# Altium PCB pay-ssm-v4.PcbDoc (part 2 of 2) (continued)
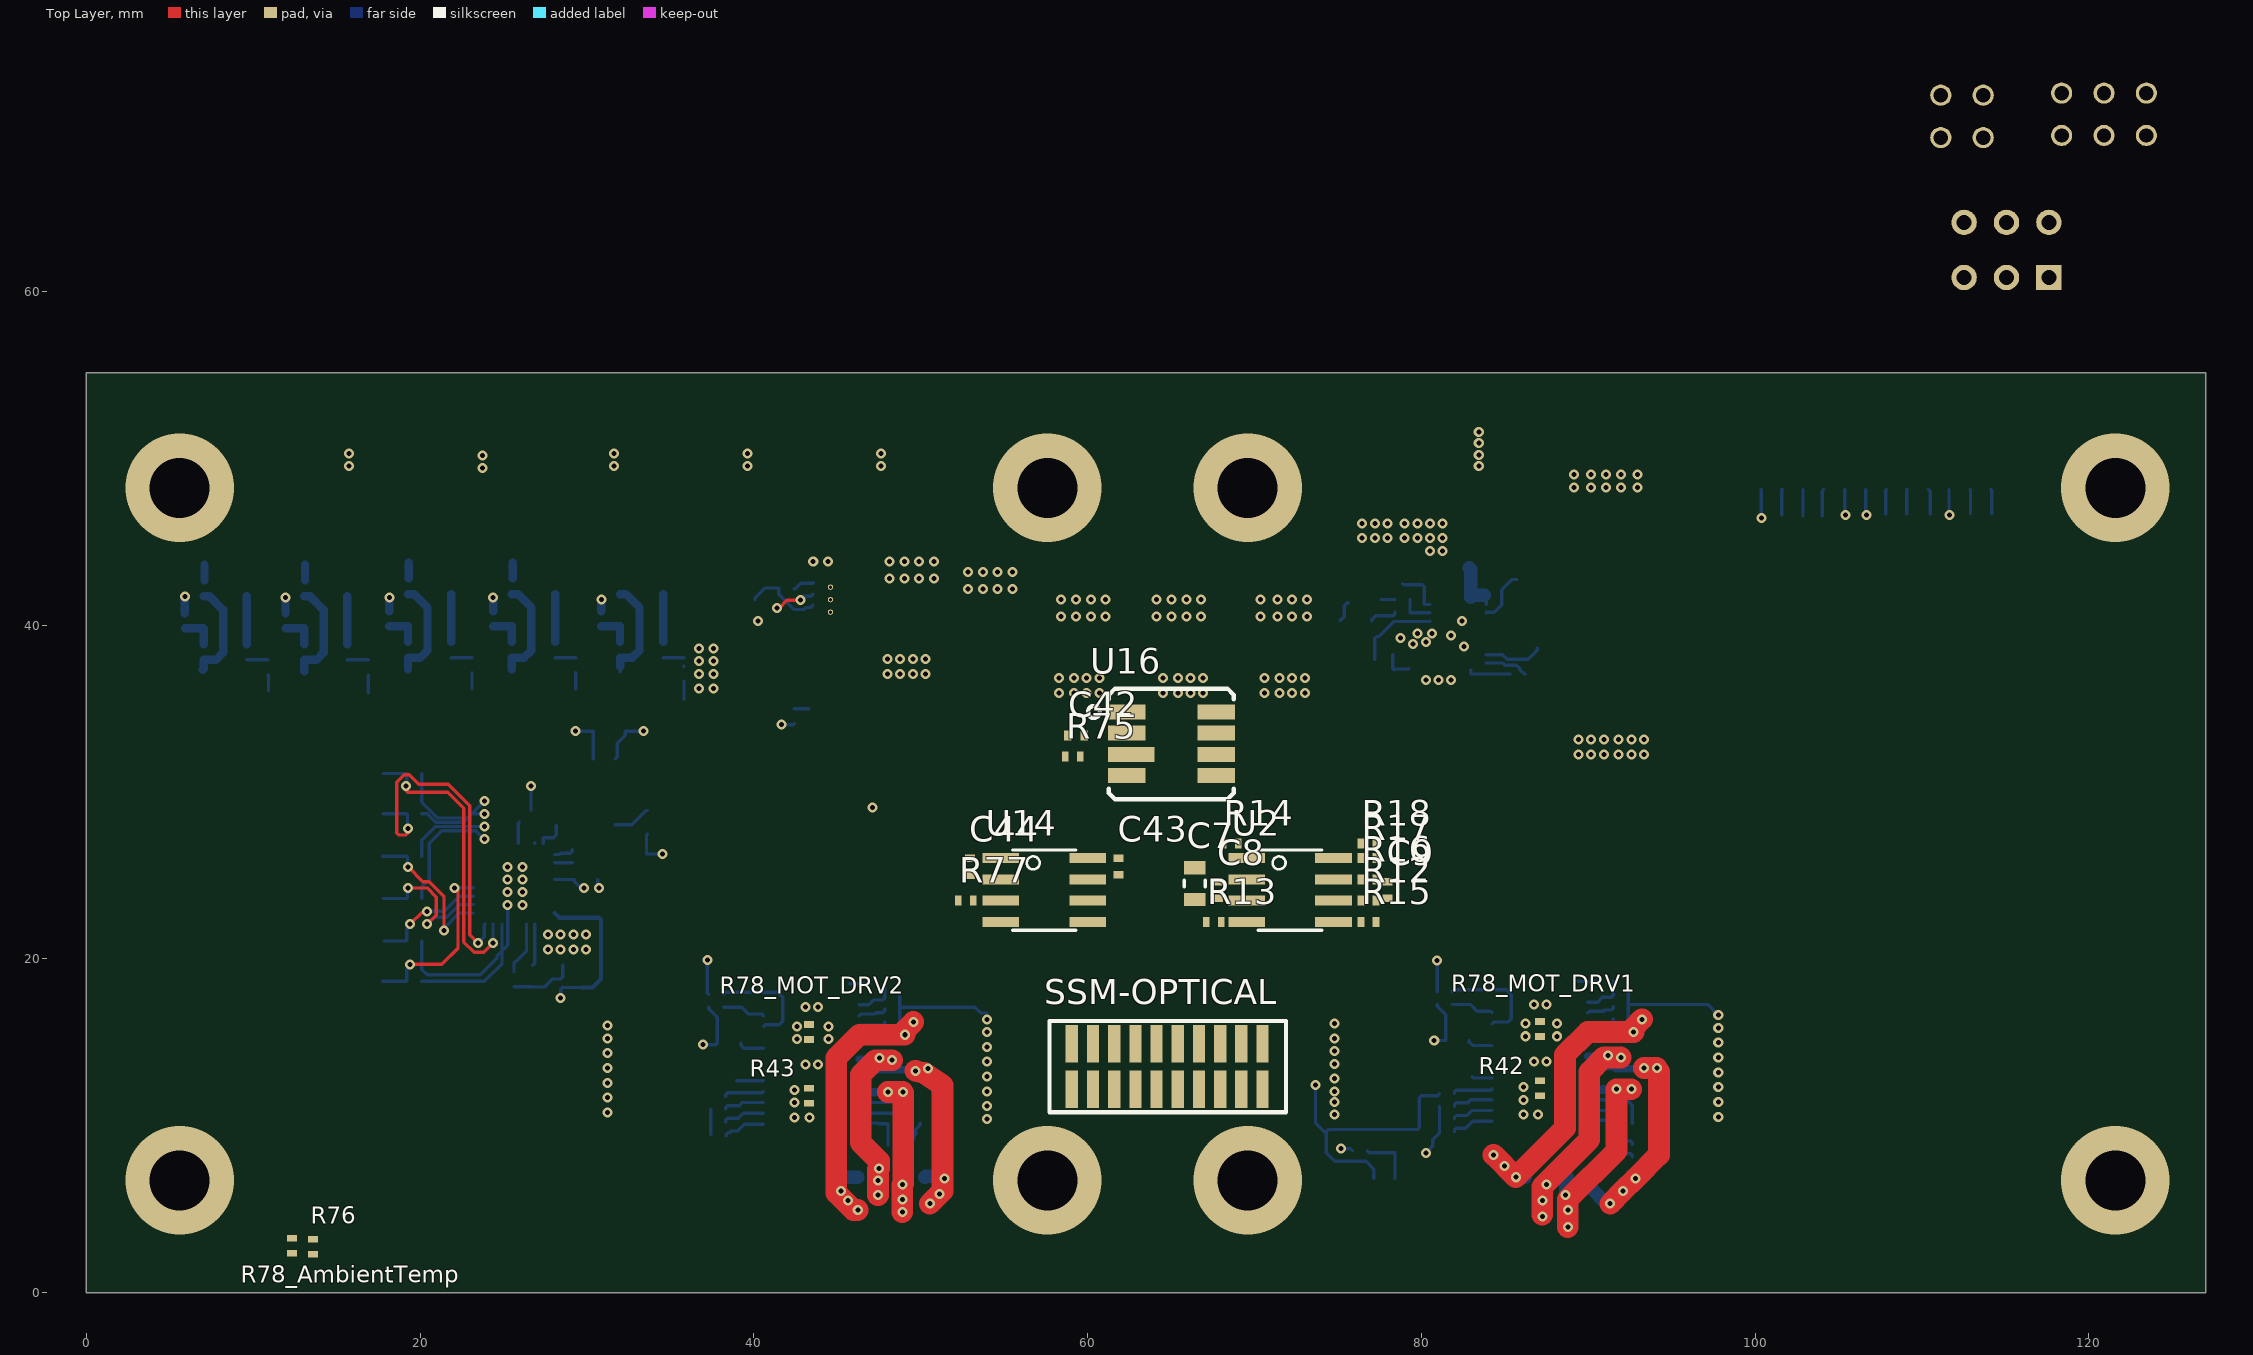
[diagram p0: Top Layer view]
## Nets (pads, with @x,y where several pads share a name; then routed paths per layer and width w, separated by ;. In a path a pad name is that pad's centre, name@x,y a point inside that pad or via, vN(x,y) a via of type N, cw(c..) or ccw(c..) an arc to the next point about the centre after c; other vN are vias at no path point) (continued)
  Bottom Layer w0.2: Q2.3@15.646,37.922 15.65,37.919 16.887,37.919 R66.1@16.891,37.915
HEATER_EN_HEATER3_N: Q2.3@21.869,38.049 R66.1@23.114,38.042 U8_Port_Expander2.2 | length 1.2
  Bottom Layer w0.2: Q2.3@21.869,38.049 21.873,38.046 23.11,38.046 R66.1@23.114,38.042
HEATER_EN_HEATER4_N: Q2.3@28.092,38.049 R66.1@29.337,38.042 U8_Port_Expander2.3 | length 1.2
  Bottom Layer w0.2: Q2.3@28.092,38.049 28.096,38.046 R66.1@29.333,38.046
HEATER_EN_HEATER5_N: Q2.3@34.569,38.049 R66.1@35.814,37.534 U8_Port_Expander2.4 | length 1.2
  Bottom Layer w0.2: Q2.3@34.569,38.049 34.573,38.046 35.81,38.046 ; R66.1@35.81,37.538 R66.1@35.814,37.534
HEATER_EN_PU_HEATER1: Q1.3@9.622,41.732 Q2.1@9.622,39.802 Q2.2@9.622,38.862 Q2.5@7.031,38.862 Q2.6@7.031,39.802 R65.1@5.913,39.809 | length 4.9
  Bottom Layer w0.5: R65.1@5.913,39.809 5.917,39.805 7.027,39.805 Q2.6@7.031,39.802 Q2.5@7.031,38.862 ; Q2.2@9.622,38.862 Q2.1@9.622,39.802 Q1.3@9.622,41.732
HEATER_EN_PU_HEATER2: Q1.3@15.646,41.732 Q2.1@15.646,39.802 Q2.2@15.646,38.862 Q2.5@13.056,38.862 Q2.6@13.056,39.802 R65.1@11.938,39.809 | length 4.9
  Bottom Layer w0.5: R65.1@11.938,39.809 11.942,39.805 13.052,39.805 Q2.6@13.056,39.802 Q2.5@13.056,38.862 ; Q2.2@15.646,38.862 Q2.1@15.646,39.802 Q1.3@15.646,41.732
HEATER_EN_PU_HEATER3: Q1.3@21.869,41.859 Q2.1@21.869,39.929 Q2.2@21.869,38.989 Q2.5@19.279,38.989 Q2.6@19.279,39.929 R65.1@18.161,39.936 | length 4.9
  Bottom Layer w0.5: R65.1@18.161,39.936 18.165,39.932 19.275,39.932 Q2.6@19.279,39.929 Q2.5@19.279,38.989 ; Q2.2@21.869,38.989 Q2.1@21.869,39.929 Q1.3@21.869,41.859
HEATER_EN_PU_HEATER4: Q1.3@28.092,41.859 Q2.1@28.092,39.929 Q2.2@28.092,38.989 Q2.5@25.502,38.989 Q2.6@25.502,39.929 R65.1@24.384,39.936 | length 4.9
  Bottom Layer w0.5: R65.1@24.384,39.936 24.388,39.932 25.498,39.932 Q2.6@25.502,39.929 Q2.5@25.502,38.989 ; Q2.2@28.092,38.989 Q2.1@28.092,39.929 Q1.3@28.092,41.859
HEATER_EN_PU_HEATER5: Q1.3@34.569,41.859 Q2.1@34.569,39.929 Q2.2@34.569,38.989 Q2.5@31.979,38.989 Q2.6@31.979,39.929 R65.1@30.861,39.936 | length 4.9
  Bottom Layer w0.5: R65.1@30.861,39.936 30.865,39.932 31.975,39.932 Q2.6@31.979,39.929 Q2.5@31.979,38.989 ; Q2.2@34.569,38.989 Q2.1@34.569,39.929 Q1.3@34.569,41.859
HM_CSn: R77.1 U1.23 U14.3
ILIM: BOOST-10V.19 R29.2 | length 2.8
  Bottom Layer w0.2: R29.2@78.867,42.484 78.933,42.418 80.051,42.418 80.168,42.301 80.168,41.265 80.198,41.235 BOOST-10V.19@80.518,41.235
IN4: U12.10
IN5: U12.12
IN6: U12.14
IND_BOOST: L2.2 R25.1
IND_BOOST_SENSE: BOOST-10V.4 BOOST-10V.5 BOOST-10V.6 BOOST-10V.7 C19.2 R25.2 R26.2
INTA_PEX1: U8_Port_Expander1.16
INTB_PEX1: U8_Port_Expander1.15
INTB_PEX2: U8_Port_Expander2.15
LBK: R15.2 U1.18
LBK_R: R15.1 U2.5
LED1: D2.1 R80.1
LED2: D3.1 R81.1
LED3: D4.1 R82.1
LED4: D5.1 R83.1
LED5: D6.1 R84.1
LED6: D7.1 R85.1
MF1_THM1: J12.2 R78_MF_THM1_6.2 U5_ADS79521.18
MF1_THM2: J12.4 R78_MF_THM1_7.2 U5_ADS79521.17
MF1_THM3: J12.6 R78_MF_THM1_8.2 U5_ADS79521.16
MF1_THM4: J13.2 R78_MF_THM1_9.2 U5_ADS79521.15
MF1_THM5: J13.4 R78_MF_THM1_10.2 U5_ADS79521.14
MF1_THM6: J13.6 R78_MF_THM1_11.2 U5_ADS79521.13
MF2_THM1: ADC2.7 J14.2 R78.2@19.212,31.111 | length 17.7
  Top Layer w0.2: v1(19.153,30.349) 19.153,30.114 19.271,29.997 21.665,29.997 22.627,29.035 22.627,21.014 23.243,20.399 23.808,20.399 v1(24.36,20.951)
  Bottom Layer w0.2: 17.804,31.111 R78.2@19.212,31.111 19.212,30.407 v1(19.153,30.349) ; v1(24.36,20.951) 24.37,20.961 24.37,22.062 ADC2.7@24.38,22.072
MF2_THM2: ADC2.8 J14.4 R78_.2 | length 21.5
  Top Layer w0.2: v1(19.28,27.809) 19.28,27.555 19.153,27.428 18.718,27.428 18.601,27.545 18.601,30.578 19.051,31.028 19.363,31.028 19.915,30.476 21.684,30.476 22.979,29.181 22.979,21.443 v1(23.471,20.951)
  Bottom Layer w0.2: 17.796,28.698 R78_.2@19.212,28.698 19.246,28.663 19.246,27.843 v1(19.28,27.809) ; v1(23.471,20.951) 23.852,21.332 23.852,22.044 ADC2.8@23.881,22.072
MF2_THM3: ADC2.9 J14.6 R78.2@19.212,26.158 | length 9.3
  Top Layer w0.2: v1(19.28,25.523) 20.169,24.634 20.541,24.634 21.439,23.735 v1(21.439,21.713)
  Bottom Layer w0.2: 17.756,26.158 R78.2@19.212,26.158 19.246,26.123 19.246,25.557 v1(19.28,25.523) ; v1(21.439,21.713) 21.439,21.84 22.357,22.757 ADC2.9@23.196,22.757
MF2_THM4: ADC2.10 J15.2 R78.2@19.212,23.618 | length 9.1
  Top Layer w0.2: v1(19.28,24.253) 20.423,24.253 20.976,23.701 20.976,22.627 20.443,22.094 v1(20.423,22.094)
  Bottom Layer w0.2: 17.796,23.618 R78.2@19.212,23.618 19.246,23.653 19.246,24.219 v1(19.28,24.253) ; v1(20.423,22.094) 20.453,22.094 20.862,22.504 21.597,22.504 22.35,23.257 ADC2.10@23.196,23.257
MF2_THM5: ADC2.11 J15.4 R78.2@19.212,21.078 | length 6.9
  Top Layer w0.2: v1(19.407,22.094) 20.093,22.779 20.347,22.779 v1(20.423,22.856)
  Bottom Layer w0.2: 17.836,21.078 R78.2@19.212,21.078 19.212,21.79 19.407,21.986 v1(19.407,22.094) ; v1(20.423,22.856) 21.451,22.856 22.352,23.757 ADC2.11@23.196,23.757
MF2_THM6: ADC2.12 J15.6 R78.2@19.212,18.665 | length 10.4
  Top Layer w0.2: v1(19.407,19.681) 21.312,19.681 22.274,20.643 v1@22.274,24.126
  Bottom Layer w0.2: 17.756,18.658 19.205,18.658 R78.2@19.212,18.665 19.212,19.377 19.407,19.573 v1(19.407,19.681) ; v1(22.071,24.257) ADC2.12@23.196,24.257
MF_THM1_IN6: C14_ADC1.2 C18_ADS79521.2 J12.1 J12.3 J12.5 J13.1 J13.3 J13.5 R36.2 R42.2 R43.2 U4_ADC1.6 U5_ADS79521.31
MF_THM2_IN6: ADC2.31 C14.2 C18.2 J14.1 J14.3 J14.5 J15.1 J15.3 J15.5 R41.2 R76.2 U4.6
MISO: R20.1 R20_ADC1.1 SSM-OPTICAL.12 U1.8 U8_Port_Expander1.10 U8_Port_Expander2.10 U14.5 U16.8
MISO_A: J3.1 R4.2 U1.1
MISO_A_R: EPS-PAY.4 R4.1 | length 1.5
  Bottom Layer w0.2: EPS-PAY.4@110.37,48.133 110.49,48.013 R4.1@110.49,46.678
MISO_R_ADC1: R20_ADC1.2 U5_ADS79521.26
MISO_R_ADC2: ADC2.26 R20.2 | length 1.1
  Bottom Layer w0.2: ADC2.26@28.065,25.757 29.098,25.757 R20.2@29.118,25.777
MOSI: R22.1 R22_ADC1.1 SSM-OPTICAL.8 U1.9 U8_Port_Expander1.9 U8_Port_Expander2.9 U16.7
MOSI_A/TX: J3.4 J4.2 J4.4 R6.2 U1.2 U12.4
MOSI_A/TX_R: EPS-PAY.6 R6.1 | length 1.5
  Bottom Layer w0.2: R6.1@107.823,46.678 107.823,48.086 EPS-PAY.6@107.87,48.133
MOSI_R_ADC1: R22_ADC1.2 U5_ADS79521.25
MOSI_R_ADC2: ADC2.25 R22.2 | length 1.2
  Bottom Layer w0.2: ADC2.25@28.065,26.257 28.356,26.257 28.438,26.339 29.018,26.339 29.118,26.439 R22.2@29.118,26.539
NetC26_2: C26.2 R33.1 | length 1.3
  Bottom Layer w0.2: R33.1@75.123,40.259 75.373,40.509 75.373,41.166 75.556,41.349 C26.2@75.631,41.349
NetC29_2: C29.2 R31.1 | length 0.8
  Bottom Layer w0.2: C29.2@77.597,41.537 78.409,41.537 R31.1@78.417,41.529
NetD1_MOTOR_DRV1_1: nSLEEP.1@45.738,18.505 R64.2@46.951,18.505 | length 1.2
  Bottom Layer w0.2: nSLEEP.1@45.738,18.505 R64.2@46.951,18.505
NetD1_MOTOR_DRV2_1: nSLEEP.1@89.396,18.669 R64.2@90.609,18.669 | length 1.2
  Bottom Layer w0.2: nSLEEP.1@89.396,18.669 R64.2@90.609,18.669
NetJ11_HEATER1_2: HEATER1.2 Q1.1@9.622,43.612 Q1.2@9.622,42.672 Q1.5@7.031,42.672 Q1.6@7.031,43.612 | length 0.9
  Bottom Layer w0.5: Q1.5@7.082,42.672 Q1.6@7.082,43.612
NetJ11_HEATER2_2: HEATER2.2 Q1.1@15.646,43.612 Q1.2@15.646,42.672 Q1.5@13.056,42.672 Q1.6@13.056,43.612 | length 0.9
  Bottom Layer w0.5: Q1.5@13.106,42.672 Q1.6@13.106,43.612
NetJ11_HEATER3_2: HEATER3.2 Q1.1@21.869,43.739 Q1.2@21.869,42.799 Q1.5@19.279,42.799 Q1.6@19.279,43.739 | length 0.9
  Bottom Layer w0.5: Q1.5@19.329,42.799 Q1.6@19.329,43.739
NetJ11_HEATER4_2: HEATER4.2 Q1.1@28.092,43.739 Q1.2@28.092,42.799 Q1.5@25.502,42.799 Q1.6@25.502,43.739 | length 0.9
  Bottom Layer w0.5: Q1.5@25.552,42.799 Q1.6@25.552,43.739
NetJ11_HEATER5_2: HEATER5.2 Q1.1@34.569,43.739 Q1.2@34.569,42.799 Q1.5@31.979,42.799 Q1.6@31.979,43.739
NetR27_1: R27.1 R33.2 | length 1.7
  Bottom Layer w0.2: R33.2@77.023,40.259 77.023,40.317 77.273,40.567 78.317,40.567 78.417,40.667 R27.1@78.417,40.767
OBC_RST: R9.2
OBC_RST_R: EPS-PAY.10 R9.1 | length 1.6
  Bottom Layer w0.2: R9.1@102.87,46.551 EPS-PAY.10@102.87,48.133
OPT_CS_N: SSM-OPTICAL.5 U1.3
OPT_DATA_RDY: SSM-OPTICAL.4 U1.30
OPT_RST_N: SSM-OPTICAL.9 U1.17
OUT1: R80.2 U12.3
OUT2: R81.2 U12.5
OUT3: R82.2 U12.7
OUT4: R83.2 U12.9
OUT5: R84.2 U12.11
OUT6: R85.2 U12.13
PAY_RST: R8.2 R11.1 S1.5 U1.31 U12.2
PAY_RST_R: EPS-PAY.9 R8.1 | length 1.6
  Bottom Layer w0.2: R8.1@104.013,46.551 104.013,48.026 EPS-PAY.9@104.12,48.133
PC6: MOTOR_DRV1.13 R60.2@38.354,9.398 U1.22 | length 2.6
  Bottom Layer w0.2: R60.2@38.354,9.398 38.354,9.498 38.454,9.598 38.554,9.598 38.644,9.688 39.006,9.688 39.418,10.1 MOTOR_DRV1.13@40.578,10.1
PC7: MOTOR_DRV1.12 R61.2@48.064,8.636 U1.25 | length 4.4
  Bottom Layer w0.2: MOTOR_DRV1.12@46.318,10.1 46.388,10.17 47.403,10.17 47.44,10.133 48.036,10.133 ; 48.036,10.133 48.036,8.816 48.036,10.133
PD0: MOTOR_DRV2.13 R60.2@81.984,9.652 U1.29 | length 2.6
  Bottom Layer w0.2: R60.2@81.984,9.652 81.984,9.752 82.084,9.852 82.664,9.852 83.076,10.264 MOTOR_DRV2.13@84.236,10.264
PD1: MOTOR_DRV2.12 R61.2@92.641,8.128 U1.32 | length 4.4
  Bottom Layer w0.2: MOTOR_DRV2.12@89.976,10.264 90.046,10.334 91.061,10.334 91.098,10.297 91.694,10.297 91.694,8.98 92.346,8.328 92.541,8.328 92.641,8.228 R61.2@92.641,8.128
PD7: U1.15
PEX2_INTA: U1.16 U8_Port_Expander2.16
PEX_CS: R67_Port_Expander1.1 R67_Port_Expander2.1 U1.13 U8_Port_Expander1.7 U8_Port_Expander2.7
PEX_RST: R68_Port_Expander1.1 R68_Port_Expander2.1 U1.14 U8_Port_Expander1.14 U8_Port_Expander2.14
PR_CSn: R75.1 U1.24 U16.3
RS: R17.1 R18.2 U2.8
RS_IN: R17.2
RST_PROG: J3.5 S1.4
RST_SW: S1.6 S2.1
RX_SW: J4.1 J4.3 S1.3
RXCAN: R13.2 U1.7
RXD_R: R13.1 U2.4
SCK: R23.1 R23_ADC1.1 SSM-OPTICAL.16 U1.28 U8_Port_Expander1.8 U8_Port_Expander2.8 U14.4 U16.1
SCK_A: J3.3 S1.1
SCK_A/RX: R5.2 S1.2 U1.12 U12.6
SCK_A/RX_R: EPS-PAY.5 R5.1 | length 1.5
  Bottom Layer w0.2: R5.1@109.093,46.678 109.093,48.106 EPS-PAY.5@109.12,48.133
SCLK_R_ADC1: R23_ADC1.2 U5_ADS79521.24
SCLK_R_ADC2: ADC2.24 R23.2 | length 1.7
  Bottom Layer w0.2: ADC2.24@27.38,26.942 27.38,27.232 27.41,27.262 28.005,27.262 28.17,27.428 R23.2@28.17,27.994
SS: BOOST-10V.10 C27.2 | length 2.6
  Bottom Layer w0.2: BOOST-10V.10@82.953,37.3 82.953,37.106 82.983,37.076 C27.2@85.344,37.076
TRIM/NR_ADC1: C13_ADC1.2 U4_ADC1.5
TRIM/NR_ADC2: C13.2 U4.5 | length 2.3
  Bottom Layer w0.2: U4.5@31.684,28.05 32.691,28.05 33.531,28.89 C13.2@33.631,28.89
TXCAN: R14.2 U1.6
TXD_R: R14.1 U2.1
VCC3V3: ADC2.21 ADC2.28 ADC2.32 BOT_SW1.1 C1.2 C2.2 C7.2 C8.2 C10.2 C10_ADC1.2 C12.2 C15.2 C15_ADS79521.2 C16.2 C16_ADS79521.2 C17.2 C17_ADS79521.2 C41_Port_Expander1.2 C41_Port_Expander2.2 C42.1 C43.2 C45.2 C46.2 EPS-PAY.8 J3.2 J8.1 J10.1 L1.1 R11.2 R24.2 R24_ADS79521.2 R48.2 R49.2 R66.2 R67_Port_Expander1.2 R67_Port_Expander2.2 R68_Port_Expander1.2 R68_Port_Expander2.2 R69.2 R69_Port_Expander1.2 R70.2 R70_Port_Expander1.2 R71.2 R71_Port_Expander1.2 R75.2 R77.2 SSM-OPTICAL.1 SSM-OPTICAL.20 TOP_SW1.1 U1.4 U2.3 U3.5 U3_ADC1.5 U4.2 U4_ADC1.2 U5_ADS79521.21 U5_ADS79521.28 U5_ADS79521.32 U8_Port_Expander1.5 U8_Port_Expander2.5 U11.3 U12.16 U14.8 U16.5 | length 36.9
  Bottom Layer w0.2: R66.2@10.866,37.015 10.922,36.959 10.922,36.068 ; 16.891,35.941 R66.2@16.891,37.015 ; 23.114,36.195 R66.2@23.114,37.142 ; ADC2.21@25.88,26.942 25.88,28.121 C15.2@25.95,28.19 ; R24.2@26.646,28.894 v1(26.646,30.349) ; ADC2.28@28.065,24.757 C17.2@29.244,24.757 ; v1(28.424,17.649) 28.424,18.187 U3.5@28.551,18.314 28.574,18.292 C10.2@29.694,18.292 ; C17.2@29.248,24.761 C17.2@29.244,24.757 ; v1(29.313,33.651) C12.2@30.395,33.651 30.384,33.639 U4.2@30.384,32 ; 29.337,36.195 R66.2@29.337,37.142 ; v1(29.821,24.253) 29.745,24.33 29.58,24.33 29.244,24.665 C17.2@29.244,24.757 ; 35.814,35.56 R66.2@35.814,36.634 ; v1(37.211,19.939) 37.211,17.958 R49.2@37.299,17.87 ; v1(73.66,12.446) 73.66,10.16 74.168,9.652 74.295,9.652 ; BOT_SW1.1@77.153,6.856 77.153,7.406 76.685,7.874 74.803,7.874 74.295,8.382 74.295,9.652 ; v1(80.928,19.91) 80.943,19.896 80.943,18.049 R49.2@80.957,18.034 ; R48.2@81.084,11.938 81.084,11.911 80.984,11.811 80,11.811 79.883,11.694 79.883,9.906 79.756,9.779 74.422,9.779 74.295,9.652 ; EPS-PAY.8@105.37,48.133 105.37,46.649 v1(105.41,46.609)
  other v1: 47.117,29.083
VCC_BOOST: BOOST-10V.1 BOOST-10V.2 C25.2 | length 3.2
  Bottom Layer w0.2: 83.771,41.782 83.888,41.665 BOOST-10V.2@83.888,41.235
  Bottom Layer w0.8: C25.2@82.869,43.434 82.953,43.35 BOOST-10V.1@82.953,41.752 ; BOOST-10V.1@82.953,41.67 BOOST-10V.1@82.953,41.752 ; 83.771,41.782 82.983,41.782 BOOST-10V.1@82.953,41.752
VCC_HEATER: BATT2HEAT.2 C31.2 C32.2 HEATER1.1 HEATER2.1 HEATER3.1 HEATER4.1 HEATER5.1 R37.1 R39.2 R65.2 U11.5@36.873,34.544 | length 4.3
  Bottom Layer w0.5: v1(5.905,41.704) 5.905,40.717 R65.2@5.913,40.709 ; R65.2@11.938,40.709 v1(11.938,41.656) ; R65.2@18.161,40.836 v1(18.161,41.656) ; R65.2@24.384,40.836 v1(24.384,41.656) ; R65.2@30.861,40.836 v1(30.861,41.529)
  other v1: 36.703,36.195 37.592,36.195 36.703,37.084 37.592,37.084 36.703,37.846 37.592,37.846 36.703,38.608 37.592,38.608 23.749,49.403 15.748,49.53 31.623,49.53 39.624,49.53 47.625,49.53 83.439,49.53 23.749,50.165 83.439,50.184 15.748,50.292 31.623,50.292 39.624,50.292 47.625,50.292 83.439,50.927 83.439,51.581
VCC_MOTOR: BATT2MOT.2 Buck-6V.1 Buck-6V.2 C21.2 C24.2 C28.2 C33.2 C34.2 C36.2 C37.2 C38.2 C39.2 MOTOR_DRV1.18 MOTOR_DRV1.19 MOTOR_DRV2.18 MOTOR_DRV2.19 R28.2 U11.5@88.435,46.736
  other v1: 58.42,40.513 59.309,40.513 60.198,40.513 61.087,40.513 64.135,40.513 65.024,40.513 65.913,40.513 66.802,40.513 70.358,40.513 71.374,40.513 72.263,40.513 73.152,40.513 58.42,41.529 59.309,41.529 60.198,41.529 61.087,41.529 64.135,41.529 65.024,41.529 65.913,41.529 66.802,41.529 70.358,41.529 71.374,41.529 72.263,41.529 73.152,41.529 52.832,42.164 53.721,42.164 54.61,42.164 55.499,42.164 48.133,42.799 49.022,42.799 49.911,42.799 50.8,42.799 52.832,43.18 53.721,43.18 54.61,43.18 55.499,43.18 48.133,43.815 49.022,43.815 49.911,43.815 50.8,43.815 89.154,48.26 90.17,48.26 91.059,48.26 91.948,48.26 92.964,48.26 89.154,49.022 90.17,49.022 91.059,49.022 91.948,49.022 92.964,49.022
VCORE_HM: C44.1 U14.1
VCP_MOTOR_DRV1: C36.1@38.981,12.7 MOTOR_DRV1.17 | length 1.6
  Bottom Layer w0.2: C36.1@38.981,12.7 MOTOR_DRV1.17@40.578,12.7
VCP_MOTOR_DRV2: C36.1@83.05,12.954 MOTOR_DRV2.17 | length 1.2
  Bottom Layer w0.2: C36.1@83.05,12.954 83.14,12.864 MOTOR_DRV2.17@84.236,12.864
VIN_BOOST: BATT2BST.1 BOOST-10V.9 C20.2 C22.2 C23.2 L2.1 | length 2.7
  Bottom Layer w0.2: BOOST-10V.9@83.888,37.735 84.863,37.735 84.994,37.603 85.699,37.603 85.896,37.406 85.896,37.338 86.158,37.076 C20.2@86.233,37.076
VINT_MOTOR_DRV1: C40.1@39.211,14.949 MOTOR_DRV1.20 | length 1.5
  Bottom Layer w0.2: C40.1@39.211,14.949 39.211,14.85 39.411,14.65 MOTOR_DRV1.20@40.578,14.65
VINT_MOTOR_DRV2: C40.1@82.869,15.113 MOTOR_DRV2.20 | length 1.5
  Bottom Layer w0.2: C40.1@82.869,15.113 82.869,15.014 83.069,14.814 MOTOR_DRV2.20@84.236,14.814
XTAL1: C5.2 U1.10 Y1.1
XTAL2: C6.2 U1.11 Y1.3
xVREF_MOTOR_DRV1: MOTOR_DRV1.22 MOTOR_DRV1.23 R49.1@38.199,17.87 R50.2@38.199,17.108 | length 9
  Bottom Layer w0.2: R50.2@38.199,17.108 39.273,17.108 39.676,16.705 40.473,16.705 MOTOR_DRV1.23@40.578,16.6 ; R49.1@38.199,17.87 38.199,17.897 38.299,17.997 41.432,17.997 41.73,17.699 41.73,16.263 41.522,16.055 40.683,16.055 MOTOR_DRV1.22@40.578,15.95
xVREF_MOTOR_DRV2: MOTOR_DRV2.22 MOTOR_DRV2.23 R49.1@81.857,18.034 R50.2@81.857,17.272 | length 9
  Bottom Layer w0.2: R50.2@81.857,17.272 82.931,17.272 83.334,16.869 84.131,16.869 MOTOR_DRV2.23@84.236,16.764 ; R49.1@81.857,18.034 81.857,18.061 81.957,18.161 85.09,18.161 85.388,17.863 85.388,16.427 85.18,16.219 84.341,16.219 MOTOR_DRV2.22@84.236,16.114
pads on no net: BOOST-10V.13 BOT_SW1. Buck-6V.V1 Buck-6V.V2 Buck-6V.V3 EPS-PAY. HEATER1. HEATER2. HEATER3. HEATER4. HEATER5. J8. J10. J12.7 J12.8 J13.7 J13.8 J14.7 J14.8 J15.7 J15.8 MOTOR1. MOTOR2. MOTOR_DRV1.24 MOTOR_DRV2.24 TOP_SW1. U4.1 U4.3 U4.7 U4.8 U4_ADC1.1 U4_ADC1.3 U4_ADC1.7 U4_ADC1.8 U14.6 U14.7 U16.4
copper on no net: | length 7.8
  Bottom Layer w0.254: 28.065,22.757 28.347,22.475 30.71,22.475 30.837,22.348 30.837,18.792 30.338,18.292 29.694,18.292
  other v2: 5.588,6.731 57.588,6.731 69.588,6.731 121.588,6.731 5.588,48.231 57.588,48.231 69.588,48.231 121.588,48.231

## Polygon pours and split planes (outlines as drawn)
no net on GND "GND-No Net" (solid, pour order 97): 0,0 127,0 127,55.118 0,55.118
no net on GND "GND-No Net 1" (solid, pour order 96): 0,55.626
VCC_MOTOR on VCC "VCC-VCC_MOTOR" (solid, pour order 204): 94.869,34.29 94.869,47.498 77.216,47.498 38.735,47.498 38.735,34.29
VCC3V3 on VCC "3V3LOGIC" (solid, pour order 102): 0.51,54.991 126.998,54.991 127,54.993 127,0.383 0.127,0.383 0,0.51
VCC_HEATER on VCC "VCC-VCC_HEATER" (solid, pour order 206): 0,34.29 38.1,34.29 38.1,47.879 84.074,47.879 84.074,55.264 37.719,54.991 0,54.991
VCC_MOTOR on VCC "MOTOR_CONN" (solid, pour order 198): 84.963,55.118 84.963,47.879 117.856,47.879 118.11,47.625 118.11,7.239 117.094,7.239 94.107,7.239 94.107,0 127,0 127,54.356 126.238,55.118
VCC_MOTOR on VCC "VCC-VCC_MOTOR 1" (solid, pour order 192): 74.674,0.375 74.676,0.127 95.123,0.018 95.123,19.177 89.308,19.177 74.549,19.177 74.608,10.402 55.437,10.289 55.437,19.302 29.275,19.302 29.402,0.252 55.564,0.252 55.441,0.375
GND on Bottom Layer "ADC2_AGND" (solid, pour order 178): 24.995,29.841 24.995,27.555 25.59,27.555 25.63,27.514 25.63,26.412 26.138,26.412 26.098,26.452 26.098,27.44 26.634,27.44 26.646,27.428 26.646,26.412 27.535,26.412 27.535,25.523 28.424,25.523 28.424,23.872 28.424,23.491 28.638,23.475 28.621,23.491 27.535,23.491 27.535,22.602 23.725,22.602 23.725,26.031 22.582,26.031 22.582,29.841
VCC_HEATER on Bottom Layer "BUCK_HEATER" (solid, pour order 128): 44.069,35.814 36.449,35.814 36.449,42.037 39.497,42.037 39.497,41.148 38.481,41.148 38.354,41.021 38.354,39.116 39.751,39.116 40.259,39.624 44.069,39.624
VCC_MOTOR on Bottom Layer "MOTOR_CONN2" (solid, pour order 200): 95.123,49.53 95.123,47.879 85.598,47.879 85.598,49.53
+BATT on Bottom Layer "Bottom Layer-+BATT" (solid, pour order 196): 99.695,48.006 99.822,48.006 99.695,54.483 99.693,54.61 85.979,54.61 85.979,49.784 95.377,49.784 95.377,36.703 99.695,36.703
MF_THM2_IN6 on Bottom Layer "ADC2-VCC2V5" (solid, pour order 174): 31.345,28.952 31.345,27.301 32.996,27.301 32.996,22.729 27.535,22.729 27.535,23.491 28.424,23.491 29.672,23.85 31.08,23.85 31.091,23.872 31.091,25.396 30.71,25.396 30.71,27.174 30.71,28.952
GND on Bottom Layer "ADC2_AGND3" (solid, pour order 184): 30.456,22.094 27.789,22.094 27.583,22.301 27.583,23.072 27.065,23.072 27.027,23.11 26.88,22.963 26.88,20.042 26.138,19.3 26.138,18.538 29.821,18.538 30.456,19.173
GND on Bottom Layer "ADC2_GND2" (solid, pour order 182): 26.138,22.983 26.138,20.57 25.757,20.189 24.614,20.189 24.614,22.983
VCC3V3 on Bottom Layer "ADC2_3V3" (solid, pour order 172): 27.027,28.444 26.519,28.444 26.265,28.19 26.265,27.555 26.138,27.555 26.138,26.412 25.63,26.412 25.63,27.682 25.376,27.682 25.249,27.809 25.249,29.841 27.027,29.841
VCC_HEATER on Bottom Layer "HEAT1" (solid, pour order 170): 15.113,47.117 16.383,47.117 16.383,50.673 15.113,50.673
VCC_HEATER on Bottom Layer "HEAT2" (solid, pour order 168): 23.114,46.99 24.384,46.99 24.384,50.546 23.114,50.546
VCC_HEATER on Bottom Layer "HEAT3" (solid, pour order 166): 30.988,47.117 32.258,47.117 32.258,50.673 30.988,50.673
VCC_HEATER on Bottom Layer "HEAT5" (solid, pour order 164): 46.99,47.117 48.26,47.117 48.26,50.673 46.99,50.673
VCC_HEATER on Bottom Layer "HEAT4" (solid, pour order 162): 38.989,47.117 40.259,47.117 40.259,50.673 38.989,50.673
NetJ11_HEATER1_2 on Bottom Layer "HEATER1-NMOS" (solid, pour order 154): 10.414,43.942 10.414,42.291 6.096,42.291 6.096,43.942
NetJ11_HEATER2_2 on Bottom Layer "HEATER5-NMOS" (solid, pour order 152): 16.51,43.942 16.51,42.291 12.192,42.291 12.192,43.942
NetJ11_HEATER3_2 on Bottom Layer "HEATER3-NMOS" (solid, pour order 150): 22.733,44.133 22.733,42.481 18.415,42.481 18.415,44.133
NetJ11_HEATER4_2 on Bottom Layer "HEATER4-NMOS" (solid, pour order 148): 28.956,44.069 28.956,42.418 24.638,42.418 24.638,44.069
NetJ11_HEATER5_2 on Bottom Layer "HEATER5-NMOS" (solid, pour order 146): 35.433,44.069 35.433,42.418 31.115,42.418 31.115,44.069
AISEN_MOTOR_DRV2 on Bottom Layer "AISEN_MOT2" (solid, pour order 144): 95.885,16.891 93.98,16.891 93.98,15.748 93.345,15.113 89.154,15.113 89.154,14.605 94.034,14.605 94.796,13.716 95.885,13.716
VCC_MOTOR on Bottom Layer "VCCMOTOR_DRV2" (solid, pour order 134): 41.432,14.314 41.432,13.044 39.781,13.044 39.4,13.425 38.481,13.425 38.481,12.282 35.971,12.282 35.971,10.123 33.177,10.123 33.177,16.346 33.304,16.346 36.098,16.346 36.098,14.695 36.479,14.314
GND on Bottom Layer "GND-MOT1-ISEN" (solid, pour order 138): 54.513,16.854 52.481,16.854 52.481,9.869 54.513,9.869
GND on Bottom Layer "GND-OUT-MOT2" (solid, pour order 143): 33.05,16.346 30.764,16.346 30.764,10.123 33.05,10.123
GND on Bottom Layer "GND_MOT1_DRV" (solid, pour order 140): 41.559,19.14 41.559,15.711 41.432,15.584 39.654,15.584 39.654,15.33 39.654,15.076 39.781,14.949 41.559,14.949 41.559,9.488 45.242,9.488 45.242,19.14
BISEN_MOTOR_DRV1 on Bottom Layer "BISEN_MOT1" (solid, pour order 132): 52.197,12.954 52.197,9.906 50.687,9.906 50.292,11.75 49.784,11.75 49.022,12.512 45.339,12.512 45.339,12.954
AISEN_MOTOR_DRV1 on Bottom Layer "AISEN_MOT1" (solid, pour order 130): 52.227,16.727 50.322,16.727 50.322,15.584 49.687,14.949 45.496,14.949 45.496,14.441 50.322,14.441 50.915,13.552 52.227,13.552
GND on Bottom Layer "GND-MOT2-ISEN" (solid, pour order 137): 54.513,16.854 52.481,16.854 52.481,9.869 54.513,9.869
GND on Bottom Layer "GND-OUT-MOT1" (solid, pour order 142): 33.05,16.346 30.764,16.346 30.764,10.123 33.05,10.123
BISEN_MOTOR_DRV2 on Bottom Layer "BISEN_MOT2" (solid, pour order 131): 95.885,13.015 95.885,10.033 94.234,10.033 93.98,11.811 93.218,12.573 89.027,12.573 89.027,13.015
GND on Bottom Layer "GND_MOT2_DRV" (solid, pour order 139): 85.217,19.304 85.217,15.875 85.09,15.748 83.312,15.748 83.312,15.494 83.312,15.24 83.439,15.113 85.217,15.113 85.217,9.652 88.9,9.652 88.9,19.304
GND on Bottom Layer "GND-OUT-MOT2" (solid, pour order 141): 76.708,16.51 74.422,16.51 74.422,10.287 76.708,10.287
GND on Bottom Layer "GND-MOT2-ISEN" (solid, pour order 136): 98.171,17.018 96.139,17.018 96.139,10.033 98.171,10.033
no net on Bottom Layer "Bottom Layer-No Net 2" (solid, pour order 135): 81.534,11.43
VCC_MOTOR on Bottom Layer "VCCMOTOR_DRV2" (solid, pour order 133): 85.09,14.478 85.09,13.208 83.439,13.208 83.058,13.589 82.55,13.589 82.55,12.446 79.629,12.446 79.629,10.287 76.835,10.287 76.835,16.51 76.962,16.51 79.756,16.51 79.756,14.859 80.137,14.478
GND on Bottom Layer "BUCK_GND" (solid, pour order 129): 43.815,42.926 42.926,42.926 42.672,42.672 41.021,42.672 41.021,44.196 45.212,44.196 45.212,41.529 45.339,41.402 46.863,41.402 46.863,40.005 51.943,40.005 51.943,35.433 44.45,35.433 44.45,39.751 46.101,39.751 46.101,40.894 45.974,41.021 45.339,41.021 45.339,40.767 44.999,40.427 43.889,40.427 43.889,42.852
BUCK_VOUT on Bottom Layer "BUCK_VOUT" (solid, pour order 127): 46.101,40.894 43.18,40.894 42.799,40.513 40.64,40.513 40.132,41.021 38.608,41.021 38.608,39.37 39.751,39.37 40.259,39.878 46.101,39.878
VCC_MOTOR on Bottom Layer "BUCK_IN" (solid, pour order 126): 47.117,44.196 45.212,44.196 45.212,41.529 47.117,41.529
BOOST_OUT on Bottom Layer "BST_OUT" (solid, pour order 125): 81.026,39.878 81.026,38.608 79.883,38.608 79.502,38.227 79.502,37.846 78.74,37.846 78.74,38.735 77.724,38.735 77.724,39.116 78.486,39.878
VCC_MOTOR on Bottom Layer "BST_CAPS" (solid, pour order 122): 74.549,44.196 74.549,40.005 46.863,40.005 46.863,44.196
GND on Bottom Layer "BST_AGND" (solid, pour order 119): 81.12,37.973 83.185,37.973 83.185,41.021 81.788,41.021 81.788,46.736 75.311,46.736 75.311,41.91 78.105,41.91 78.105,43.18 80.772,43.18 80.772,41.529 80.962,41.338 81.12,41.181 81.12,40.861
GND on Bottom Layer "BST_PGND" (solid, pour order 118): 94.615,36.449 82.55,36.449 82.55,37.973 80.01,37.973 80.01,37.465 79.375,36.83 79.248,36.957 76.327,36.957 76.327,38.989 76.2,39.116 56.388,39.116 56.388,35.56 88.011,35.56 88.011,30.988 94.615,30.988
IND_BOOST on Bottom Layer "IND_BOOST" (solid, pour order 117): 89.408,44.45 86.741,44.45 86.741,44.196 86.741,39.116 87.376,39.116 87.63,39.116 87.757,38.989 89.408,38.989
VIN_BOOST on Bottom Layer "VINBST" (solid, pour order 116): 94.869,45.593 90.932,45.593 90.932,38.354 91.059,38.227 89.154,38.227 89.154,36.703 94.869,36.703
IND_BOOST_SENSE on Bottom Layer "IBS" (solid, pour order 115): 86.487,41.148 85.09,41.148 85.09,40.386 83.312,40.386 83.312,38.481 84.709,38.481 84.963,38.227 86.487,38.227
no net on Bottom Layer "Bottom Layer-No Net 1" (solid, pour order 114): 81.026,39.878
VCC_HEATER on Bottom Layer "BATT-TO-HEATER" (solid, pour order 113): 85.471,54.61 82.296,54.61 82.296,48.26 85.471,48.26

## Other copper
VCC:
  pour cut-out: 84.074,47.879 84.074,47.371 83.947,47.498 38.735,47.498 38.735,34.036 38.1,34.036 38.1,47.879
  pour cut-out: 94.869,47.879 94.869,47.498 94.742,47.371 84.074,47.371 84.074,54.608 84.963,54.608 84.963,47.879
  pour cut-out: 99.695,47.879 99.695,36.703 94.869,36.703 94.869,47.498 94.869,47.879